# KiCad board control.kicad_pcb (continued)
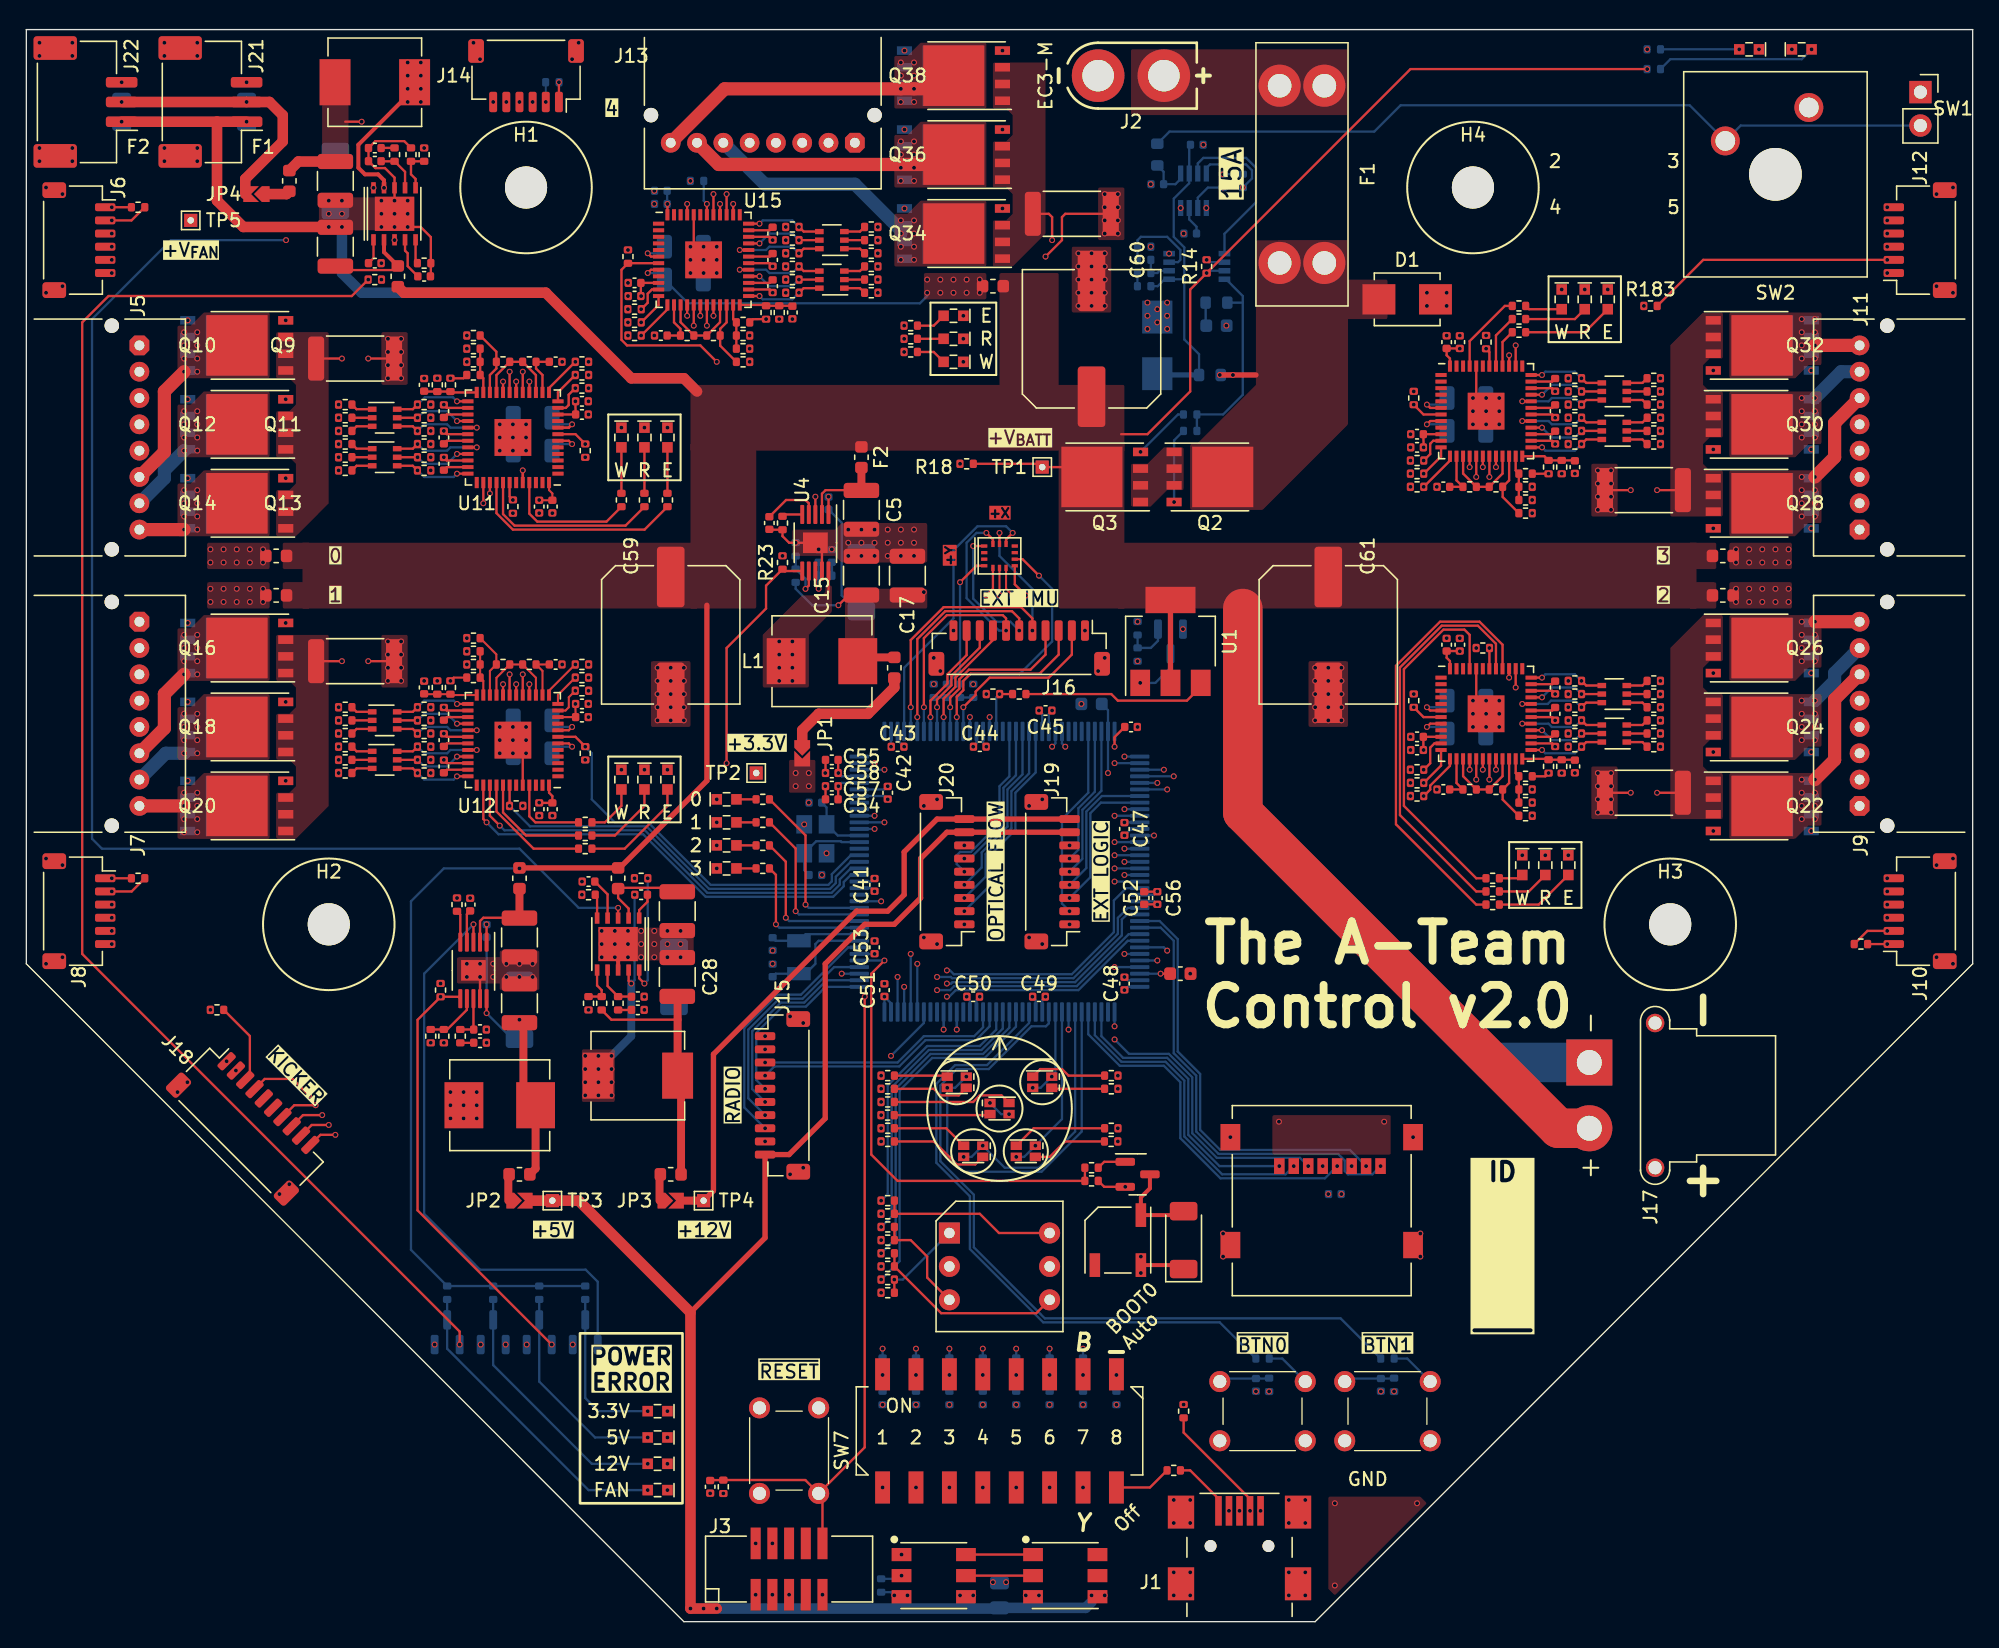
[diagram p0: board, top side]
## Nets (continued)
/Motors/MotorDRB/ENCODER_{~{DET}}: J14.2 R213.1 U15.16
/Motors/MotorDRB/HALL_{1}: J13.3 R214.2 U15.11
/Motors/MotorDRB/HALL_{2}: J13.4 R216.2 U15.12
/Motors/MotorDRB/HALL_{3}: J13.2 R218.2 U15.13
/Motors/MotorDRB/I_{SENSE(AMPLIFIED)}: R224.2 R225.1 U15.15 U15.21
/Motors/MotorDRB/I_{SENSE(FILTERED)}: C115.1 R225.2 U15.14
/Motors/MotorDRB/I_{SENSE(RAW)}: Q34.1 Q34.2 Q34.3 Q36.1 Q36.2 Q36.3 Q38.1 Q38.2 Q38.3 R220.1 R238.1 R239.1
/Motors/MotorDRB/LED_{ERROR}: R219.1 U15.40
/Motors/MotorDRB/LED_{FW_READY}: R217.1 U15.41
/Motors/MotorDRB/LED_{WARN}: R215.1 U15.45
/Motors/MotorDRB/MOTOR_{U}: C112.2 J13.8 Q37.1 Q37.2 Q37.3 Q38.5 U15.34
/Motors/MotorDRB/MOTOR_{V}: C113.2 J13.7 Q35.1 Q35.2 Q35.3 Q36.5 U15.30
/Motors/MotorDRB/MOTOR_{W}: C114.2 J13.6 Q33.1 Q33.2 Q33.3 Q34.5 U15.26
/Motors/MotorDRB/V_{MOTOR}: C106.1 F14.2 Q33.5 Q35.5 Q37.5 U15.8
/Motors/MotorFL/ENCODER_{A}: J6.3 U11.17
/Motors/MotorFL/ENCODER_{B}: J6.4 U11.18
/Motors/MotorFL/ENCODER_{Z}: J6.5 U11.19
/Motors/MotorFL/ENCODER_{~{DET}}: J6.2 R93.1 U11.16
/Motors/MotorFL/HALL_{1}: J5.3 R94.2 U11.11
/Motors/MotorFL/HALL_{2}: J5.4 R96.2 U11.12
/Motors/MotorFL/HALL_{3}: J5.2 R98.2 U11.13
/Motors/MotorFL/I_{SENSE(AMPLIFIED)}: R104.2 R105.1 U11.15 U11.21
/Motors/MotorFL/I_{SENSE(FILTERED)}: C71.1 R105.2 U11.14
/Motors/MotorFL/I_{SENSE(RAW)}: Q10.1 Q10.2 Q10.3 Q12.1 Q12.2 Q12.3 Q14.1 Q14.2 Q14.3 R100.1 R118.1 R119.1
/Motors/MotorFL/LED_{ERROR}: R99.1 U11.40
/Motors/MotorFL/LED_{FW_READY}: R97.1 U11.41
/Motors/MotorFL/LED_{WARN}: R95.1 U11.45
/Motors/MotorFL/MOTOR_{U}: C68.2 J5.8 Q13.1 Q13.2 Q13.3 Q14.5 U11.34
/Motors/MotorFL/MOTOR_{V}: C69.2 J5.7 Q11.1 Q11.2 Q11.3 Q12.5 U11.30
/Motors/MotorFL/MOTOR_{W}: C70.2 J5.6 Q9.1 Q9.2 Q9.3 Q10.5 U11.26
/Motors/MotorFL/V_{MOTOR}: C62.1 F10.2 Q9.5 Q11.5 Q13.5 U11.8
/Motors/MotorFR/ENCODER_{A}: J12.3 U14.17
/Motors/MotorFR/ENCODER_{B}: J12.4 U14.18
/Motors/MotorFR/ENCODER_{Z}: J12.5 U14.19
/Motors/MotorFR/ENCODER_{~{DET}}: J12.2 R183.1 U14.16
/Motors/MotorFR/HALL_{1}: J11.3 R184.2 U14.11
/Motors/MotorFR/HALL_{2}: J11.4 R186.2 U14.12
/Motors/MotorFR/HALL_{3}: J11.2 R188.2 U14.13
/Motors/MotorFR/I_{SENSE(AMPLIFIED)}: R194.2 R195.1 U14.15 U14.21
/Motors/MotorFR/I_{SENSE(FILTERED)}: C104.1 R195.2 U14.14
/Motors/MotorFR/I_{SENSE(RAW)}: Q28.1 Q28.2 Q28.3 Q30.1 Q30.2 Q30.3 Q32.1 Q32.2 Q32.3 R190.1 R208.1 R209.1
/Motors/MotorFR/LED_{ERROR}: R189.1 U14.40
/Motors/MotorFR/LED_{FW_READY}: R187.1 U14.41
/Motors/MotorFR/LED_{WARN}: R185.1 U14.45
/Motors/MotorFR/MOTOR_{U}: C101.2 J11.8 Q31.1 Q31.2 Q31.3 Q32.5 U14.34
/Motors/MotorFR/MOTOR_{V}: C102.2 J11.7 Q29.1 Q29.2 Q29.3 Q30.5 U14.30
/Motors/MotorFR/MOTOR_{W}: C103.2 J11.6 Q27.1 Q27.2 Q27.3 Q28.5 U14.26
/Motors/MotorFR/V_{MOTOR}: C95.1 F13.2 Q27.5 Q29.5 Q31.5 U14.8
/Power/Power Supply (Logic)/PGOOD_{+3.3V}: Q5.1 R23.2 U4.6 U5.3
/RADIO.BOOT0: J15.7 U10.4
/RADIO.CTS: J15.4 U10.128
/RADIO.RTS: J15.3 U10.129
/RADIO.RX: J15.5 U10.1
/RADIO.TX: J15.6 U10.2
/RADIO.~{DET}: J15.2 U10.3
/RADIO.~{RST}: J15.8 U10.7
/USB_OTG.DM: J1.2 U10.103
/USB_OTG.DP: J1.3 U10.104
/USB_OTG.ID: J1.4 R1.2 U10.102
/USB_VBUS: J1.1 R74.2
Net-(BZ1-+): BZ1.2 D8.2 Q4.3
Net-(C4-Pad1): C4.1 R15.2
Net-(C9-Pad1): C9.1 R19.2
Net-(C10-Pad1): C10.1 R20.2
Net-(C16-Pad1): C16.1 F5.1 L2.2 R27.1
Net-(C22-Pad1): C22.1 R29.2
Net-(C23-Pad1): C23.1 R30.2
Net-(C28-Pad1): C28.1 F8.1 L3.2 R35.1
Net-(C29-Pad1): C29.1 F9.1 L4.2 R37.1
Net-(C31-Pad1): C31.1 R62.1 SW4.1
Net-(C32-Pad1): C32.1 R72.1 SW5.1
Net-(C33-Pad1): C33.1 C34.1 U10.71 U10.106
Net-(D2-A2): C1.1 D2.2 R6.1 R7.1 U2.1 U3.6
Net-(D3-K): C13.2 D3.1 L1.1 U4.10
Net-(D4-K): C14.2 D4.1 L2.1 U5.10
Net-(D5-K): C26.2 D5.1 L3.1 U6.9
Net-(D6-K): C27.2 D6.1 L4.1 U7.9
Net-(D7-A): D7.2 R41.2
Net-(D9-A): D9.2 R45.2
Net-(D10-A): D10.2 Q5.3 R43.2
Net-(D11-A): D11.2 Q6.3 R44.2
Net-(D12-A): D12.2 R46.2
Net-(D13-A): D13.2 R47.2
Net-(D14-A): D14.2 R50.2
Net-(D15-A): D15.2 Q7.3 R48.2
Net-(D16-A): D16.2 Q8.3 R49.2
Net-(D17-A): D17.2 R51.2
Net-(D18-A1): D18.1 R54.1
Net-(D18-K2): D18.4 R52.2
Net-(D19-A1): D19.1 R55.1
Net-(D19-K2): D19.4 R53.2
Net-(D20-A1): D20.1 R57.1
Net-(D20-K2): D20.4 R56.2
Net-(D21-A1): D21.1 R60.1
Net-(D21-K2): D21.4 R58.2
Net-(D22-A1): D22.1 R61.1
Net-(D22-K2): D22.4 R59.2
Net-(D23-A): D23.2 R95.2
Net-(D24-A): D24.2 R97.2
Net-(D25-A): D25.2 R99.2
Net-(D26A-A): D26.1 R113.1
Net-(D26A-K): D26.6 R112.1 U11.32
Net-(D26B-A): D26.2 R106.1
Net-(D26B-K): D26.5 R107.1 U11.33
Net-(D26C-A): D26.3 R109.1
Net-(D26C-K): D26.4 R108.1 U11.36
Net-(D27A-A): D27.1 R114.1
Net-(D27A-K): D27.6 R115.1 U11.25
Net-(D27B-A): D27.2 R117.1
Net-(D27B-K): D27.5 R116.1 U11.28
Net-(D27C-A): D27.3 R110.1
Net-(D27C-K): D27.4 R111.1 U11.29
Net-(D28-A): D28.2 R125.2
Net-(D29-A): D29.2 R127.2
Net-(D30-A): D30.2 R129.2
Net-(D31A-A): D31.1 R143.1
Net-(D31A-K): D31.6 R142.1 U12.32
Net-(D31B-A): D31.2 R136.1
Net-(D31B-K): D31.5 R137.1 U12.33
Net-(D31C-A): D31.3 R139.1
Net-(D31C-K): D31.4 R138.1 U12.36
Net-(D32A-A): D32.1 R144.1
Net-(D32A-K): D32.6 R145.1 U12.25
Net-(D32B-A): D32.2 R147.1
Net-(D32B-K): D32.5 R146.1 U12.28
Net-(D32C-A): D32.3 R140.1
Net-(D32C-K): D32.4 R141.1 U12.29
Net-(D33-A): D33.2 R155.2
Net-(D34-A): D34.2 R157.2
Net-(D35-A): D35.2 R159.2
Net-(D36A-A): D36.1 R173.1
Net-(D36A-K): D36.6 R172.1 U13.32
Net-(D36B-A): D36.2 R166.1
Net-(D36B-K): D36.5 R167.1 U13.33
Net-(D36C-A): D36.3 R169.1
Net-(D36C-K): D36.4 R168.1 U13.36
Net-(D37A-A): D37.1 R174.1
Net-(D37A-K): D37.6 R175.1 U13.25
Net-(D37B-A): D37.2 R177.1
Net-(D37B-K): D37.5 R176.1 U13.28
Net-(D37C-A): D37.3 R170.1
Net-(D37C-K): D37.4 R171.1 U13.29
Net-(D38-A): D38.2 R185.2
Net-(D39-A): D39.2 R187.2
Net-(D40-A): D40.2 R189.2
Net-(D41A-A): D41.1 R203.1
Net-(D41A-K): D41.6 R202.1 U14.32
Net-(D41B-A): D41.2 R196.1
Net-(D41B-K): D41.5 R197.1 U14.33
Net-(D41C-A): D41.3 R199.1
Net-(D41C-K): D41.4 R198.1 U14.36
Net-(D42A-A): D42.1 R204.1
Net-(D42A-K): D42.6 R205.1 U14.25
Net-(D42B-A): D42.2 R207.1
Net-(D42B-K): D42.5 R206.1 U14.28
Net-(D42C-A): D42.3 R200.1
Net-(D42C-K): D42.4 R201.1 U14.29
Net-(D43-A): D43.2 R215.2
Net-(D44-A): D44.2 R217.2
Net-(D45-A): D45.2 R219.2
Net-(D46A-A): D46.1 R233.1
Net-(D46A-K): D46.6 R232.1 U15.32
Net-(D46B-A): D46.2 R226.1
Net-(D46B-K): D46.5 R227.1 U15.33
Net-(D46C-A): D46.3 R229.1
Net-(D46C-K): D46.4 R228.1 U15.36
Net-(D47A-A): D47.1 R234.1
Net-(D47A-K): D47.6 R235.1 U15.25
Net-(D47B-A): D47.2 R237.1
Net-(D47B-K): D47.5 R236.1 U15.28
Net-(D47C-A): D47.3 R230.1
Net-(D47C-K): D47.4 R231.1 U15.29
Net-(JP1-A): F4.2 JP1.1
Net-(JP2-A): F5.2 JP2.1
Net-(JP3-A): F8.2 JP3.1
Net-(JP4-A): F9.2 JP4.1
Net-(Q1-D): Q1.3 U1.1
Net-(Q1-G): Q1.1 R2.1 R3.1
Net-(Q2-G): Q2.4 R12.1
Net-(Q2-S-Pad1): Q2.1 Q2.2 Q2.3 Q3.1 Q3.2 Q3.3
Net-(Q3-G): Q3.4 R13.2
Net-(Q4-G): Q4.1 R40.2
Net-(Q9-G): Q9.4 R114.2 R115.2
Net-(Q10-G): Q10.4 R116.2 R117.2
Net-(Q11-G): Q11.4 R110.2 R111.2
Net-(Q12-G): Q12.4 R112.2 R113.2
Net-(Q13-G): Q13.4 R106.2 R107.2
Net-(Q14-G): Q14.4 R108.2 R109.2
Net-(Q15-G): Q15.4 R144.2 R145.2
Net-(Q16-G): Q16.4 R146.2 R147.2
Net-(Q17-G): Q17.4 R140.2 R141.2
Net-(Q18-G): Q18.4 R142.2 R143.2
Net-(Q19-G): Q19.4 R136.2 R137.2
Net-(Q20-G): Q20.4 R138.2 R139.2
Net-(Q21-G): Q21.4 R174.2 R175.2
Net-(Q22-G): Q22.4 R176.2 R177.2
Net-(Q23-G): Q23.4 R170.2 R171.2
Net-(Q24-G): Q24.4 R172.2 R173.2
Net-(Q25-G): Q25.4 R166.2 R167.2
Net-(Q26-G): Q26.4 R168.2 R169.2
Net-(Q27-G): Q27.4 R204.2 R205.2
Net-(Q28-G): Q28.4 R206.2 R207.2
Net-(Q29-G): Q29.4 R200.2 R201.2
Net-(Q30-G): Q30.4 R202.2 R203.2
Net-(Q31-G): Q31.4 R196.2 R197.2
Net-(Q32-G): Q32.4 R198.2 R199.2
Net-(Q33-G): Q33.4 R234.2 R235.2
Net-(Q34-G): Q34.4 R236.2 R237.2
Net-(Q35-G): Q35.4 R230.2 R231.2
Net-(Q36-G): Q36.4 R232.2 R233.2
Net-(Q37-G): Q37.4 R226.2 R227.2
Net-(Q38-G): Q38.4 R228.2 R229.2
Net-(R7-Pad2): R7.2 R8.1
Net-(R11-Pad2): R11.2 SW1.2 SW2.2
Net-(R66-Pad2): R66.2 R71.1 SW3.1
Net-(R67-Pad1): R67.1 SW4.2
Net-(R73-Pad1): R73.1 SW5.2
Net-(R74-Pad1): R74.1 SW6.8
Net-(R76-Pad2): R76.2 R83.1 SW6.16
Net-(R77-Pad2): R77.2 R84.1 SW6.15
Net-(R78-Pad2): R78.2 R85.1 SW6.14
Net-(R79-Pad2): R79.2 R86.1 SW6.13
Net-(R80-Pad2): R80.2 R87.1 SW6.12
Net-(R81-Pad2): R81.2 R88.1 SW6.11
Net-(R82-Pad2): R82.2 R89.1 SW6.10
Net-(SW3-2): R65.2 R70.1 SW3.4
Net-(SW3-4): R64.2 R69.1 SW3.3
Net-(SW3-8): R63.2 R68.1 SW3.6
Net-(U1-OUT): R4.1 U1.3
Net-(U2-GATE): R12.2 R13.1 R15.1 U2.8
Net-(U2-OV): R9.2 R10.1 U2.3
Net-(U2-UV): R8.2 R9.1 U2.2
Net-(U2-~{SHDN}): U2.5 U3.7
Net-(U3-TMR): C3.1 U3.3
Net-(U3-~{PB}): C2.1 R11.1 U3.5
Net-(U4-BOOT): C13.1 U4.1
Net-(U4-COMP): C7.1 R19.1 U4.8
Net-(U4-RT/CLK): R21.1 U4.5
Net-(U4-SS/TR): C11.1 U4.4
Net-(U4-VIN): C5.1 F2.1 U4.2
Net-(U4-VSENSE): R25.2 R26.1 U4.7
Net-(U5-BOOT): C14.1 U5.1
Net-(U5-COMP): C8.1 R20.1 U5.8
Net-(U5-RT/CLK): R22.1 U5.5
Net-(U5-SS/TR): C12.1 U5.4
Net-(U5-VIN): C6.1 F3.1 U5.2
Net-(U5-VSENSE): R27.2 R28.1 U5.7
Net-(U6-BOOT): C26.1 U6.1
Net-(U6-COMP): C20.1 R29.1 U6.7
Net-(U6-FB): R35.2 R36.1 U6.6
Net-(U6-RT/CLK): R31.1 U6.5
Net-(U6-SS/TR): C24.1 U6.4
Net-(U6-VIN): C18.1 F6.1 U6.2
Net-(U7-BOOT): C27.1 U7.1
Net-(U7-COMP): C21.1 R30.1 U7.7
Net-(U7-FB): R37.2 R38.1 U7.6
Net-(U7-RT/CLK): R32.1 U7.5
Net-(U7-SS/TR): C25.1 U7.4
Net-(U7-VIN): C19.1 F7.1 U7.2
Net-(U8-CKO): U8.5 U9.2
Net-(U8-SDO): U8.6 U9.1
Net-(U10A-PH0/OSC_IN): C37.1 U10.23 Y1.3
Net-(U10A-PH1/OSC_OUT): C35.1 U10.24 Y1.1
Net-(U10C-PC14/OSC32_IN): C38.1 U10.8 Y2.1
Net-(U10C-PC15/OSC32_OUT): C39.1 U10.9 Y2.2
Net-(U11A-VREG12): C67.1 U11.6
Net-(U11C-VBOOTU): C68.1 U11.35
Net-(U11C-VBOOTV): C69.1 U11.31
Net-(U11C-VBOOTW): C70.1 U11.27
Net-(U11D-OP1N): R103.2 R104.1 U11.22
Net-(U11D-OP1P): R100.2 R101.2 R102.1 U11.23
Net-(U11E-OC_COMP): C72.1 R119.2 R120.2 U11.24
Net-(U12A-VREG12): C78.1 U12.6
Net-(U12C-VBOOTU): C79.1 U12.35
Net-(U12C-VBOOTV): C80.1 U12.31
Net-(U12C-VBOOTW): C81.1 U12.27
Net-(U12D-OP1N): R133.2 R134.1 U12.22
Net-(U12D-OP1P): R130.2 R131.2 R132.1 U12.23
Net-(U12E-OC_COMP): C83.1 R149.2 R150.2 U12.24
Net-(U13A-VREG12): C89.1 U13.6
Net-(U13C-VBOOTU): C90.1 U13.35
Net-(U13C-VBOOTV): C91.1 U13.31
Net-(U13C-VBOOTW): C92.1 U13.27
Net-(U13D-OP1N): R163.2 R164.1 U13.22
Net-(U13D-OP1P): R160.2 R161.2 R162.1 U13.23
Net-(U13E-OC_COMP): C94.1 R179.2 R180.2 U13.24
Net-(U14A-VREG12): C100.1 U14.6
Net-(U14C-VBOOTU): C101.1 U14.35
Net-(U14C-VBOOTV): C102.1 U14.31
Net-(U14C-VBOOTW): C103.1 U14.27
Net-(U14D-OP1N): R193.2 R194.1 U14.22
Net-(U14D-OP1P): R190.2 R191.2 R192.1 U14.23
Net-(U14E-OC_COMP): C105.1 R209.2 R210.2 U14.24
Net-(U15A-VREG12): C111.1 U15.6
Net-(U15C-VBOOTU): C112.1 U15.35
Net-(U15C-VBOOTV): C113.1 U15.31
Net-(U15C-VBOOTW): C114.1 U15.27
Net-(U15D-OP1N): R223.2 R224.1 U15.22
Net-(U15D-OP1P): R220.2 R221.2 R222.1 U15.23
Net-(U15E-OC_COMP): C116.1 R239.2 R240.2 U15.24
Net-(U16-INT1): R243.1 U16.4
Net-(U16-INT2): R244.1 U16.9

Pads without a net: J3 6 7 8; J18 5 6; SW4 4; SW5 4; SW7 1 4; U9 5 6; U10 15 22 28 29 36 37 55 65 66 67 110 123 132 134 136 137; U11 1 2 3 4 5 9 37 43 46 47; U12 1 2 3 4 5 9 37 43 46 47; U13 1 2 3 4 5 9 37 43 46 47; U14 1 2 3 4 5 9 37 43 46 47; U15 1 2 3 4 5 9 37 43 46 47; U16 2 3 10 11

## Via types
v1: diameter 0.45, hole 0.3, Top to Bottom, 1242 vias

## Routing (per net, layer and track width the routed paths; a pad name or vN(x,y) marks a point on that pad's centre or on a via; arc(x,y) is an arc through that point)
+3.3V: length 66.7
  Top w0.153: C63.1 C64.1 40,85.75 39.75,86 U11.48 ; U12.10 C77.1 v1(41.75,69.75) C76.1
  Top w0.175: U13.10 C88.1 C87.1 ; C52.1 C56.1 ; C96.1 C97.1 108,96.25 108.25,96 U14.48 ; C74.1 C75.1 40,62.75 39.75,63 U12.48 ; C54.1 C57.1 ; R153.2 v1(141.5,51.5) J10.1 ; U13.48 108.25,73.01 108,73.26 C86.1 C85.1 ; v1(73,78) 73.5,78.5 U16.5 ; U14.10 C99.1 v1(106.25,89.25) C98.1 ; C55.1 C58.1 ; C110.1 C109.1 v1(46.75,100.75) ; v1(82.75,66.5) 82.75,67.23 C46.1 ; U11.10 C66.1 v1(41.75,92.75) C65.1 ; v1(76,78) 75.16,78.84 U16.8 ; U15.10 46.75,101.75 ; J8.1 R123.2 ; J14.1 v1(40.5,117) ; R93.2 J6.1 ; U15.48 v1(48.75,107.75)
  Top w0.3: BZ1.1 87.7,27.1 D8.1
  Bottom w0.175: U10.33 62,64.25 v1(61.75,64.5) ; U10.32 62,63.75 v1(61.75,63.5) ; C108.1 C107.1 ; v1(86,54.5) 85.75,54.75 U10.95 ; U10.121 76.75,47.25 v1(76.5,47.5) ; v1(65.5,62.5) 65.25,62.75 U10.30 ; U10.84 84,60.25 v1(83.5,59.75) ; v1(64.5,56.5) 64.25,56.25 U10.17 ; v1(73,66.5) 72.75,66.75 U10.52 ; U10.62 77.75,69 v1(78,69.25) ; U10.39 66.25,67 v1(66.75,66.5) ; U10.72 v1(82.75,66.5) ; U10.143 65.75,47 v1(65.25,47.5) U10.144 ; U10.108 83.75,48.25 v1(83.5,48) ; U10.131 71.75,47.25 v1(71.5,47.5) ; U10.6 v1(64.5,50.75)
  vias: v1(6.5,107.5) v1(6.5,56.5) v1(14,46.5) v1(15.94,41.89) v1(27,102) v1(31.25,94.5) v1(31.25,71.5) v1(31.5,48.5) v1(33.5,95.75) v1(33.5,72.75) v1(39,85.25) v1(39,62.25) v1(42.75,95.75) v1(42.75,94.75) v1(42.75,93.75) v1(42.75,72.75) v1(42.75,71.75) v1(42.75,70.75) v1(45.75,99.75) v1(45.75,98.75) v1(45.75,97.75) v1(46.25,56.5) v1(53,9.75) v1(55,97.75) v1(55.46,2.05) v1(56.17,36.5) v1(57.25,99) v1(57.5,81) v1(58.5,64.5) v1(58.5,63.5) v1(59.5,64.5) v1(59.5,63.5) v1(65,41.5) v1(65,39.5) v1(65,37.5) v1(65.11,10.2) v1(67.65,10.2) v1(69,71.26) v1(70.19,10.2) v1(70.5,75.33) v1(71.33,59) v1(72,71.25) v1(72.73,10.2) v1(75.27,10.2) v1(77.81,10.2) v1(79.33,59) v1(80.35,10.2) v1(83,41.5) v1(83,37.5) v1(84.5,73) v1(84.75,27.75) v1(84.75,26.5) v1(88,16.5) v1(94.5,17.5) v1(98.57,34.62) v1(99,32.5) v1(104,17.5) v1(105.25,88.25) v1(105.25,87.25) v1(105.25,86.25) v1(105.25,64.75) v1(105.25,63.75) v1(105.25,62.75) v1(106.25,66.25) v1(109,96.75) v1(109,73.75) v1(114.5,86.25) v1(114.5,63.25) v1(116.75,87.25) v1(116.75,64.5) v1(123,100) v1(141.5,102.5)
+3.3V_{PREFUSE}: length 59.5
  Top w0.175: 63.47,78 C15.1 62.53,78.03 v1(61.75,77.25)
  Top w0.6: L1.2 63.51,73.29 F4.1
  In4.Cu w0.175: v1(68.25,78.25) 69,79 69,80.75 71.75,83.5 84.62,83.5 87.75,86.62 87.75,99.43 90.5,102.18 90.5,109.5 v1(91,110)
  Bottom w0.175: v1(91,110) R17.1 R16.1 ; v1(61.75,77.25) 59.75,77.25 58.5,78.5 R25.1
+5V: length 127.2
  Top w0.4: 50.5,23.5 56.17,29.18 J15.10 58,35.5 60.75,38.25 60.75,50 63.75,53 66,53 68,55 68,58 70,60 J20.8 J19.8
  Top w0.8: v1(52.5,1) v1(50.5,1) 50.5,23.5 42,32 TP3.1 JP2.2
  Bottom w0.8: v1(50.5,1) 73.95,1 C30.2 80.55,1.05 81,1.5
  vias: v1(51.5,1) v1(71,2) v1(72,2) v1(81,2) v1(82,2)
+12V: length 49.5
  Top w0.4: J19.9 J20.9 69.25,61 66.75,58.5 66.75,55.25 65.5,54 63.12,54 52.25,43.12 52.25,32.75 TP4.1
  Top w0.6: TP4.1 JP3.2
GND: length 252.2
  Top w0.153: U16.7 74.5,78.5 v1(75,78) ; v1(74,78) U16.6
  Top w0.175: v1(77.5,103.75) 78.75,105 78.75,106.75 79,107 R238.2 ; C54.2 C57.2 ; R118.2 v1(26,96) ; R208.2 v1(122,86) ; U12.20 v1(36.25,71.25) ; U15.20 v1(52.25,99.25) ; v1(110,93) 110.25,93.25 U14.44 ; v1(83.56,33.05) 81.96,33.05 R39.2 ; U13.20 v1(111.75,64.75) ; U12.44 37.75,65.75 v1(38,66) ; U5.9 v1(34.5,49) ; C25.2 30.76,102.28 R32.2 30.76,105.23 29.99,106 v1(29,106) ; v1(110,70) 110.25,70.25 U13.44 ; U11.20 v1(36.25,94.25) ; U15.44 50.75,104.75 v1(50.5,104.5) ; R178.2 v1(122,63) ; v1(28,108) U7.8 28,109.75 27.27,110.48 27.27,110.48 26.54,110.48 C21.2 C23.2 26.54,112.52 28.74,112.52 R38.2 ; R148.2 v1(26,73) ; C52.2 C56.2 ; U4.9 60.5,81.5 U4.11 58,82 57.5,82.5 R21.2 56.53,82.99 C11.2 ; C55.2 C58.2 ; U14.20 v1(111.75,87.75)
  Top w0.2: U11.44 v1(37.75,87.5)
  Top w0.3: U6.8 45,50.25 v1(44.75,50.5)
  Top w0.8: v1(23,106) 16.5,106 14.5,108 14.5,114 ; 14.5,114 v1(16.75,114) ; 14.5,114 v1(7.25,114)
  In1.Cu w0.175: v1(114.5,84.25) 114.95,83.8 121.3,83.8 122,84.5 v1(122,86) ; v1(33.5,97.75) 33.05,98.2 26.95,98.2 26,97.25 v1(26,96) ; v1(55,95.75) 55.2,95.55 69.05,95.55 70.5,97 70.5,99.5 70.95,99.95 73.7,99.95 v1(77.5,103.75) ; v1(122,63) 122,61.8 121,60.8 114.95,60.8 v1(114.5,61.25) ; v1(33.5,74.75) 33,75.25 26.75,75.25 26,74.5 v1(26,73)
  Bottom w0.175: v1(77,69.25) 77.25,69 U10.61 ; U10.130 72.25,47.25 v1(72.5,47.5) ; U10.94 85.75,55.25 v1(86,55.5) ; v1(83.5,49) 83.75,48.75 U10.107 ; v1(65.5,63.5) 65.25,63.25 U10.31 ; v1(72,66.5) 72.25,66.75 U10.51 ; v1(64.5,55.5) 64.25,55.75 U10.16 ; U10.120 77.25,47.25 v1(77.5,47.5) ; U10.83 v1(83.5,60.75) ; U10.38 v1(65.75,66.5) ; v1(66,2) 65.76,2.24 R42.2
  Bottom w0.8: 51,93.5 50,94.5 46,94.5 39.5,101 25.5,101 24,102.5 v1(24,106)
  Bottom w3: 92.5,77 92.5,61.5 111.5,42.5 J17.1
  vias: v1(1,120) v1(1,119) v1(1,112) v1(1,111) v1(1.5,109) v1(1.5,101) v1(1.5,58) v1(1.5,50) v1(2.75,108.5) v1(2.75,101.5) v1(2.75,57.5) v1(2.75,50.5) v1(3.5,120) v1(3.5,119) v1(3.5,112) v1(3.5,111) v1(6.5,102.5) v1(6.5,51.5) v1(10.5,120) v1(10.5,119) v1(10.5,112) v1(10.5,111) v1(11.5,40.25) v1(12.25,41) v1(13,120) v1(13,119) v1(13,112) v1(13,111) v1(15.23,42.6) v1(19.25,32.5) v1(20,33.25) v1(23,108) v1(23,107) v1(24,108) v1(24,107) v1(27,108) v1(27,107) v1(27,106) v1(27.5,97.5) v1(27.5,96.5) v1(27.5,95.5) v1(27.5,94.5) v1(27.5,74.5) v1(27.5,73.5) v1(27.5,72.5) v1(27.5,71.5) v1(28,107) v1(28,106) v1(28.5,97.5) v1(28.5,96.5) v1(28.5,95.5) v1(28.5,94.5) v1(28.5,74.5) v1(28.5,73.5) v1(28.5,72.5) v1(28.5,71.5) v1(29,108) v1(29,107) v1(30.25,94.5) v1(30.25,71.5) v1(30.75,44) v1(31.05,21.06) v1(32.75,55) v1(33.5,96.75) v1(33.5,73.75) v1(33.5,50) v1(33.5,49) v1(33.75,55) v1(34,120) v1(34.5,118.75) v1(34.5,50) v1(34.55,21.06) v1(35,45) v1(35,44) v1(35.5,115.5) v1(35.5,50) v1(35.5,49) v1(36,91) v1(36,90) v1(36,89) v1(36,68) v1(36,67) v1(36,66) v1(36.5,50) v1(36.5,49) v1(37,91) v1(37,90) v1(37,89) v1(37,84.25) v1(37,68) v1(37,67) v1(37,66) v1(37.5,50) v1(37.5,49) v1(37.75,62) v1(38,91) v1(38,90) v1(38,89) v1(38,68) v1(38,67) v1(38.05,21.06) v1(38.5,50) v1(38.5,49) v1(39,84.25) v1(39,61.25) v1(40,84.25) v1(40,61.25) v1(40.75,95.75) v1(40.75,72.75) v1(41.5,118.75) v1(41.55,21.06) v1(42,120) v1(42.25,56.25) v1(42.25,55.25) v1(42.5,88.5) v1(42.5,65.5) v1(42.75,92.75) v1(42.75,91.75) v1(42.75,69.75) v1(42.75,68.75) v1(42.75,46.5) v1(43.75,52.5) v1(43.75,51.5) v1(43.75,50.5) v1(44.75,52.5) v1(44.75,51.5) v1(45.25,90.75) v1(45.25,64.75) v1(45.75,104.25) v1(45.75,101.75) v1(45.75,100.75) v1(45.75,52.5) v1(45.75,51.5) v1(45.75,50.5) v1(46.75,52.5) v1(46.75,51.5) v1(46.75,50.5) v1(47,90.75) v1(47,64.75) v1(47,47.5) v1(47,46.5) v1(47.75,108.75) v1(47.75,107.75) v1(47.75,97.75) v1(47.75,52.5) v1(47.75,51.5) v1(47.75,50.5) v1(48,72.5) v1(48,71.5) v1(48,70.5) v1(48,69.5) v1(48,68.5) v1(48.75,90.75) v1(48.75,64.75) v1(48.75,52.5) v1(48.75,51.5) v1(48.75,50.5) v1(48.75,16) v1(48.75,14) v1(48.75,12) v1(48.75,10) v1(49,72.5) v1(49,71.5) v1(49,70.5) v1(49,69.5) v1(49,68.5) v1(49.75,52.5) v1(49.75,51.5) v1(49.75,50.5) v1(50,72.5) v1(50,71.5) v1(50,70.5) v1(50,69.5) v1(50,68.5) v1(50.5,109.5) v1(50.5,103.5) v1(50.5,102.5) v1(51.5,104.5) v1(51.5,103.5) v1(51.5,102.5) v1(52,9.75) v1(52.5,104.5) v1(52.5,103.5) v1(52.5,102.5) v1(52.5,62.5) v1(52.5,60.75) v1(52.5,59) v1(52.5,57.25) v1(55,96.75) v1(56.17,44.5) v1(56.73,2.05) v1(56.75,51) v1(56.75,50) v1(58,2.05) v1(58.08,46) v1(58.08,34) v1(58.25,99) v1(58.5,82) v1(59.08,45.5) v1(59.08,34.5) v1(59.15,60.6) v1(59.5,62.25) v1(60.25,81.5) v1(60.5,56.75) v1(60.54,2.05) v1(60.75,64.5) v1(60.75,63.5) v1(60.85,58.4) v1(61.25,81.5) v1(62.5,83) v1(62.5,82) v1(62.5,81) v1(63.5,83) v1(63.5,82) v1(63.5,81) v1(64.5,83) v1(64.5,82) v1(64.5,81) v1(64.5,51.75) v1(65,40.5) v1(65,38.5) v1(65,36.5) v1(65,31) v1(65,29) v1(65,27) v1(65,25) v1(65.11,16.49) v1(65.25,48.5) v1(65.5,83) v1(65.5,82) v1(65.5,81) v1(66.5,83) v1(66.5,82) v1(66.5,81) v1(67,2) v1(67.5,83) v1(67.5,82) v1(67.5,81) v1(67.65,16.49) v1(68.25,62) v1(68.25,52) v1(69,73.25) v1(69.25,62.5) v1(69.25,51.5) v1(69.5,72.25) v1(70.19,16.49) v1(71,88) v1(71.25,99.25) v1(71.25,97.5) v1(71.25,95.75) v1(71.33,53) v1(72.73,16.49) v1(73,70.5) v1(73.5,3) v1(74.5,3) v1(75.27,16.49) v1(76,2) v1(76.25,62) v1(76.25,52) v1(77,2) v1(77.25,62.5) v1(77.25,51.5) v1(77.81,16.49) v1(79.33,53) v1(80,104) v1(80,103) v1(80,102) v1(80,101) v1(80,100) v1(80.22,69.75) v1(80.35,16.49) v1(80.5,75.33) v1(81,104) v1(81,103) v1(81,102) v1(81,101) v1(81,100) v1(81.5,72.25) v1(82,108.5) v1(82,107.5) v1(82,106.5) v1(82,105.5) v1(82,104) v1(82,103) v1(82,102) v1(82,101) v1(82,100) v1(82,73.25) v1(82.89,16.49) v1(83,108.5) v1(83,107.5) v1(83,106.5) v1(83,105.5) v1(83,40.5) v1(83,36.5) v1(84.5,76) v1(84.5,68) v1(85.25,100.25) v1(85.25,99.25) v1(85.25,98.25) v1(85.5,109.25) v1(85.5,104.5) v1(86,99.75) v1(86,98.75) v1(86.75,100.25) v1(86.75,99.25) v1(86.75,98.25) v1(86.89,103.97) v1(87.25,9.25) v1(87.25,7.5) v1(87.25,3.75) v1(87.25,2) v1(87.78,107.44) v1(88,105.5) v1(87.95,75.44) v1(88.5,49.25) v1(88.5,9.25) v1(88.5,7.5) v1(88.5,3.75) v1(88.5,2) v1(89.5,112.25) v1(89.72,107.44) v1(91,29.5) v1(91,27.75) v1(91.25,98.5) v1(91.56,36.82) v1(93.5,17.5) v1(93.85,8.43) v1(95.25,38) v1(96,9.25) v1(96,7.5) v1(96,3.75) v1(96,2) v1(97.25,9.25) v1(97.25,7.5) v1(97.25,3.75) v1(97.25,2) v1(98,72.5) v1(98,71.5) v1(98,70.5) v1(98,69.5) v1(98,68.5) v1(99,72.5) v1(99,71.5) v1(99,70.5) v1(99,69.5) v1(99,68.5) v1(99.5,9) v1(99.5,2.75) v1(100,72.5) v1(100,71.5) v1(100,70.5) v1(100,69.5) v1(100,68.5) v1(100,32.5) v1(100.78,34.62) v1(103,17.5) v1(103.25,38) v1(105.25,90.25) v1(105.25,89.25) v1(105.25,67.25) v1(105.25,66.25) v1(105.44,36.82) v1(105.5,93.5) v1(105.5,70.5) v1(105.75,9) v1(106,29.5) v1(106,27.75) v1(106.5,101) v1(106.5,100) v1(107.25,86.25) v1(107.25,63.25) v1(108,101) v1(108,100) v1(108,97.75) v1(108,74.75) v1(109,97.75) v1(109,74.75) v1(110,92) v1(110,91) v1(110,69) v1(110,68) v1(110.25,74) v1(111,97.75) v1(111,93) v1(111,92) v1(111,91) v1(111,70) v1(111,69) v1(111,68) v1(112,93) v1(112,92) v1(112,91) v1(112,70) v1(112,69) v1(112,68) v1(113.75,58.25) v1(114.5,85.25) v1(114.5,62.25) v1(115.5,58.25) v1(116.75,101.25) v1(117.25,58.25) v1(117.75,87.25) v1(117.75,64.5) v1(118.5,101.25) v1(119.5,87.5) v1(119.5,86.5) v1(119.5,85.5) v1(119.5,84.5) v1(119.5,64.5) v1(119.5,63.5) v1(119.5,62.5) v1(119.5,61.5) v1(120.25,101.25) v1(120.5,87.5) v1(120.5,86.5) v1(120.5,85.5) v1(120.5,84.5) v1(120.5,64.5) v1(120.5,63.5) v1(120.5,62.5) v1(120.5,61.5) v1(131.75,119.5) v1(134.25,119.5) v1(141.5,107.5) v1(141.5,56.5) v1(145.25,108.5) v1(145.25,101.5) v1(145.25,57.5) v1(145.25,50.5) v1(146.5,109) v1(146.5,101) v1(146.5,58) v1(146.5,50)
+V_{BATT(FUSED)}: length 3.8
  Top w0.4: v1(90.75,94.75) 93.5,94.75
  Bottom w0.4: v1(90.75,94.75) v1(91.75,94.75)
+V_{BATT(PROTECTED)}: length 231.6
  Top w0.175: v1(123.25,118) 105.25,118 v1(89.75,102.5) ; R14.1 89.75,102.49 88.5,101.25 88.5,93.5 85.25,90.25 83.25,90.25 ; Q3.5 80.28,87.75 TP1.1 77,88 R18.1
  Top w0.4: U1.4 U1.2 ; 51.75,77.25 51.75,63.91 45.12,57.29 F6.2 F3.2 v1(37.5,57.25)
  Top w0.8: 51,93.5 50,94.5 46,94.5 39.5,101 28.71,101 F7.2
  Top w3: J17.2 116.5,37.5 92.5,61.5 92.5,77
  Bottom w0.175: U2.7 89.92,102.67 v1(89.75,102.5) ; v1(37.5,57.25) 31.75,57.25 29.25,54.75 29.25,28.26 R49.1 R44.1 R48.1 R43.1
+V_{FAN}: length 30.6
  Top w0.8: JP4.2 16.65,109.65 19.5,112.5 19.5,114.49 18.49,115.5 v1(16.75,115.5) v1(7.25,115.5)
  In1.Cu w0.175: TP5.1 14.5,108.5 14.5,113.25 v1(16.75,115.5)
/AIRDRIBBLER.PWM1: length 98.4
  In1.Cu w0.175: v1(71.75,68.75) 70.75,67.75 47.66,67.75 45,70.41 45,83.25 44,84.25 44,95.68 42.13,97.55 37.38,97.55 34.68,100.25 23.5,100.25 21,102.75 21,115.25 19.25,117 v1(16.75,117)
  Bottom w0.175: U10.50 v1(71.75,68.75)
/AIRDRIBBLER.PWM2: length 109.7
  In1.Cu w0.175: v1(7.25,117) 7.75,116.5 19.32,116.5 20.7,115.12 20.7,102.62 23.37,99.95 34.55,99.95 37.25,97.25 42,97.25 43.7,95.55 43.7,84.12 44.7,83.12 44.7,70.28 47.53,67.45 71.95,67.45 v1(73.25,68.75)
  Bottom w0.175: U10.53 v1(73.25,68.75)
/EXTLOGIC.CK: length 10.6
  Bottom w0.175: U10.79 81.78,62.75 80.6,61.57 80.6,57.28 v1(79.33,56)
/EXTLOGIC.NSS: length 11.2
  Bottom w0.175: v1(79.33,55) 80.91,56.58 80.91,61.45 81.71,62.25 U10.80
/EXTLOGIC.RX: length 11.7
  Bottom w0.175: v1(79.33,57) 80.3,57.98 80.3,61.7 81.75,63.15 U10.70
/EXTLOGIC.TX: length 10.5
  Bottom w0.175: v1(79.33,58) 80,58.67 80,61.82 81.25,63.07 U10.69
/EXTLOGIC.~{DET}: length 14.7
  Bottom w0.175: v1(79.33,54) 78.75,54.57 78.75,61 80.75,63 U10.68
/FLOW.BOOT0: length 13.5
  Bottom w0.175: U10.58 75.75,64.4 74.6,63.25 74.6,60.43 72.65,58.47 72.65,57.32 v1(71.33,56)
/FLOW.RX: length 13
  Bottom w0.175: v1(71.33,57) 70.75,57.57 70.75,58.25 71,58.5 71.82,58.5 74,60.68 74,63.5 74.75,64.25 U10.56
/FLOW.TX: length 11.5
  Bottom w0.175: v1(71.33,58) 71.75,58 74.3,60.55 74.3,63.37 75.25,64.32 U10.57
/FLOW.~{DET}: length 15.9
  Bottom w0.175: U10.60 76.75,64.54 75.21,63 75.21,60.18 73.25,58.22 73.25,55.93 v1(71.33,54)
/FLOW.~{RST}: length 14.7
  Bottom w0.175: v1(71.33,55) 72.95,56.62 72.95,58.34 74.91,60.3 74.91,63.12 76.25,64.47 U10.59
/IMU.INT1: length 15.2
  Top w0.175: v1(70.25,69.5) 70.25,70.22 70.95,70.92 70.95,71.63 71.68,72.35 76.35,72.35 77.5,73.5 J16.4
  Bottom w0.175: U10.47 v1(70.25,69.5) 70.25,69.99 R243.2 R241.2
/IMU.INT2: length 16.5
  Top w0.175: v1(70.75,68.75) 70.75,70.29 71.25,70.79 71.25,71.5 71.8,72.05 77.05,72.05 78.5,73.5 J16.3
  Bottom w0.175: U10.48 v1(70.75,68.75) 70.75,69.99 R244.2 R242.2
/IMU.MISO: length 26.1
  Top w0.175: v1(72,81.75) U16.1 ; v1(67.75,68.75) 67.75,74.68 69.87,76.8 74.95,76.8 75.5,76.25 v1(75.5,75.33)
  Bottom w0.175: U10.42 v1(67.75,68.75) ; v1(75.5,75.33) 74.83,76 73.75,76 72,77.75 v1(72,81.75)
/IMU.MOSI: length 26.2
  Top w0.175: U16.14 73.5,82.25 v1(73,82.75) ; v1(68.25,69.5) 68.25,74.75 70,76.5 74.25,76.5 74.5,76.25 v1(74.5,75.33)